# Altium PCB Mikrolysreklamen.PcbDoc
Units mm, origin at the board's own origin, x right, y up, seen from the top; angles counter-clockwise.
Board outline 84.38 x 23.58 mm, 2 copper layers (Top Layer, Bottom Layer), stack 1.671 mm thick; 73 components, 100 nets, 393 pads, 66 vias.
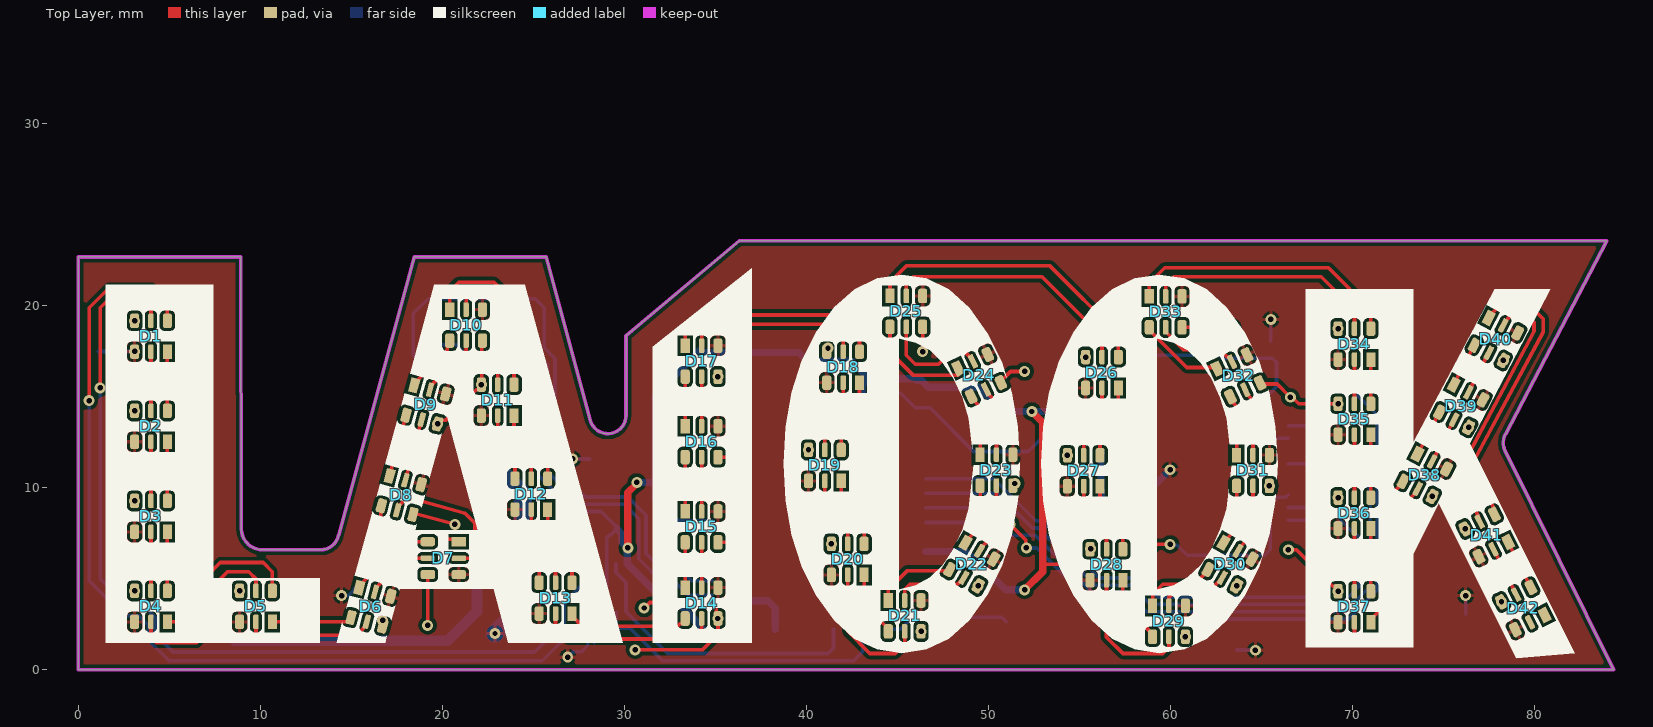
[diagram p0: Top Layer view]
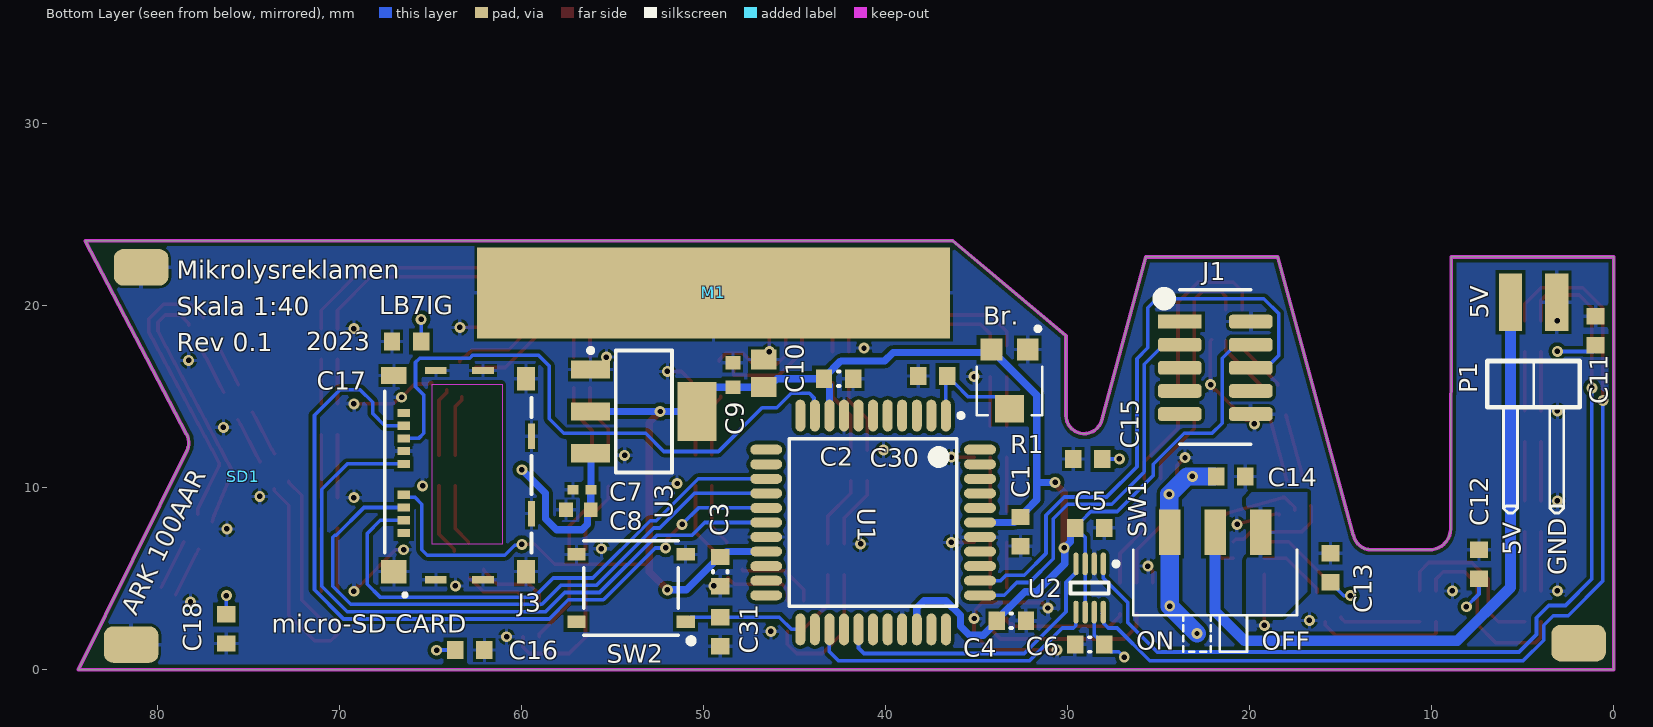
[diagram p1: Bottom Layer view, seen from below]
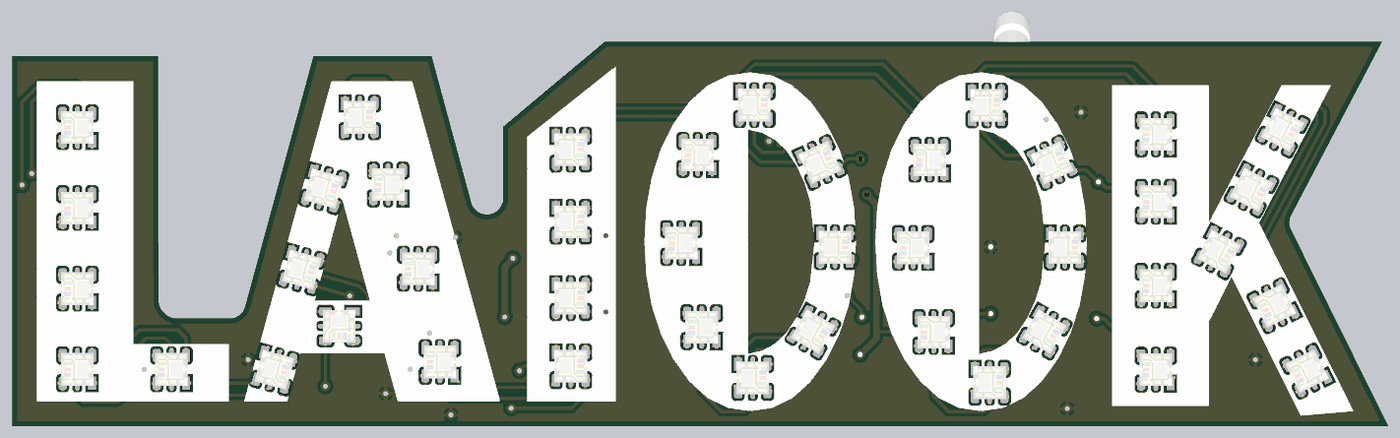
[diagram p2: 3D render of the assembled board from above, using the file's embedded part models]

## Layer stack, top to bottom
Top Solder: solder mask 0.0102, Solder Resist, Dk 3.5
Top Layer: signal copper 0.0356
Dielectric 1: dielectric 1.6, FR-4, Dk 4.8
Bottom Layer: signal copper 0.0356
Bottom Solder: solder mask 0.0102, Solder Resist, Dk 3.5

## Board outline
8.96,7.745 ccw(c10.129,7.768) 10.152,6.6 13.331,6.6 ccw(c13.32,7.6) 14.299,7.397 14.302,7.396 18.473,22.69 25.715,22.69 28.139,13.718 28.135,13.717 ccw(c29.1,13.98) 30.1,13.98 30.1,18.366 36.334,23.58 83.993,23.58 78.438,12.974 78.435,12.975 ccw(c79.31,12.49) 78.398,12.081 84.379,0 0,0 0,22.69 8.93,22.69

## Design rules (kind name [scope] priority, off if disabled: settings)
Clearance [All] p1: gap=0.2 ignorepadtopadclearanceinfootprint=FALSE except(0: Arc-Hole Track-Hole SMDPad-Hole THPad-Hole Via-Hole Fill-Hole Poly-Hole Region-Hole Text-Hole; 0.15: Arc-Arc Arc-Track Track-Track)
DiffPairsRouting [All] p1: maxlimit=0.254 minlimit=0.254 mostfreqgap=0.254 substack1={9E7FAFDF-2B63-4549-80CD-55CEDA884390} toplayer_{9e7fafdf-2b63-4549-80cd-55ceda884390}_minwidth=0.381 toplayer_{9e7fafdf-2b63-4549-80cd-55ceda884390}_maxwidth=0.381 toplayer_{9e7fafdf-2b63-4549-80cd-55ceda884390}_prefwidth=0.381 bottomlayer_{9e7fafdf-2b63-4549-80cd-55ceda884390}_minwidth=0.381 bottomlayer_{9e7fafdf-2b63-4549-80cd-55ceda884390}_maxwidth=0.381 bottomlayer_{9e7fafdf-2b63-4549-80cd-55ceda884390}_prefwidth=0.381 toplayer_minwidth=0.381 toplayer_maxwidth=0.381 toplayer_prefwidth=0.381 bottomlayer_minwidth=0.381 bottomlayer_maxwidth=0.381 bottomlayer_prefwidth=0.381 maxuncoupledlength=12.7
MinimumSolderMaskSliver [All] p1: minsoldermaskwidth=0.15
PolygonConnect [All] p1: connectstyle=Relief reliefconductorwidth=0.2 reliefentries=4 polygonreliefangle="90 Angle" airgapwidth=0.15
RoutingVias [All] p1: holewidth=0.3 width=0.6 viastyle="Through Hole" minholewidth=0.3 minwidth=0.6 maxholewidth=0.6 maxwidth=1.2
SilkToSolderMaskClearance [IsPad] p1: minsilkscreentomaskgap=0.1 clearancetoexposedcopper=TRUE
SolderMaskExpansion SolderMaskExpansion_via [IsVia] p1: expansion=0.102 istentingtop=TRUE
SolderMaskExpansion [All] p2: expansion=0.05 istentingtop=FALSE
Width [All] p1: maxlimit=4 minlimit=0.15 preferedwidth=0.2 substack1={9E7FAFDF-2B63-4549-80CD-55CEDA884390}
27 further rules are at their usual default settings.

## Classes and differential pairs
component class Mikrolysreklamen: C1 C2 C3 C4 C5 C6 C7 C8 C9 C10 C30 C31 J1 J3 M1 M2 M3 P1 R1 SD1 SW1 SW2 U1 U2 U3
component class LEDs: C11 C12 C13 C14 C15 C16 C17 C18 D1 D2 D3 D4 D5 D6 D7 D8 D9 D10 D11 D12 D13 D14 D15 D16 D17 D18 D19 D20 D21 D22 D23 D24 D25 D26 D27 D28 D29 D30 D31 D32 D33 D34 D35 D36 D37 D38 D39 D40 D41 D42

## Components (designator, comment, footprint, x,y, rotation, side; value= is the part's Value field where it differs from the comment)
C1 "100nF" CAPC0603(1608)55_N 32.6,7.6 r90 bottom
C2 "100nF" CAPC0603(1608)55_N 42.6,16 r0 bottom
C3 "100nF" CAPC0603(1608)55_N 49.1,5.4 r90 bottom
C4 "100nF" CAPC0603(1608)55_N 33.1,2.7 r0 bottom
C5 "100nF" CAPC0603(1608)55_N 28.8,7.8 r0 bottom
C6 "100nF" CAPC0603(1608)55_N 28.8,1.4 r180 bottom
C7 "100nF" CAPC1005X04L 56.7,9.9 r180 bottom
C8 "10µF" CAPC1608X06L 56.9,8.8 r180 bottom
C9 "10µF" CAPC1608X06L 48.4,16.2 r270 bottom
C10 "100µF" CAPC2012X11L 46.7,16.3 r270 bottom
C11 "100nF" CAPC0603(1608)55_N 1,18.63 r270 bottom
C12 "100nF" CAPC0603(1608)55_N 7.4,5.8 r270 bottom
C13 "100nF" CAPC0603(1608)55_N 15.57,5.61 r270 bottom
C14 "100nF" CAPC0603(1608)55_N 21.05,10.62 r0 bottom
C15 "100nF" CAPC0603(1608)55_N 28.9,11.59 r180 bottom
C16 "100nF" CAPC0603(1608)55_N 62.86,1.09 r0 bottom
C17 "100nF" CAPC0603(1608)55_N 66.34,18.05 r180 bottom
C18 "100nF" CAPC0603(1608)55_N 76.25,2.25 r90 bottom
C30 "100nF" CAPC0603(1608)55_N 37.42,16.15 r180 bottom
C31 "100nF" CAPC0603(1608)55_N 49.1,2.1 r90 bottom
D1 "APA102 2020" APA_RGB_LED_2020 3.994,18.333 r90 top
D2 "APA102 2020" APA_RGB_LED_2020 3.994,13.385 r90 top
D3 "APA102 2020" APA_RGB_LED_2020 3.994,8.437 r90 top
D4 "APA102 2020" APA_RGB_LED_2020 3.994,3.489 r90 top
D5 "APA102 2020" APA_RGB_LED_2020 9.764,3.489 r90 top
D6 "APA102 2020" APA_RGB_LED_2020 16.083,3.461 r254.67 top
D7 "APA102 2020" APA_RGB_LED_2020 20.058,6.141 r180 top
D8 "APA102 2020" APA_RGB_LED_2020 17.75,9.6 r254.67 top
D9 "APA102 2020" APA_RGB_LED_2020 19.103,14.576 r254.67 top
D10 "APA102 2020" APA_RGB_LED_2020 21.312,18.946 r270 top
D11 "APA102 2020" APA_RGB_LED_2020 23.048,14.826 r90 top
D12 "APA102 2020" APA_RGB_LED_2020 24.896,9.662 r90 top
D13 "APA102 2020" APA_RGB_LED_2020 26.229,3.944 r90 top
D14 "APA102 2020" APA_RGB_LED_2020 34.253,3.674 r270 top
D15 "APA102 2020" APA_RGB_LED_2020 34.253,7.856 r270 top
D16 "APA102 2020" APA_RGB_LED_2020 34.253,12.54 r270 top
D17 "APA102 2020" APA_RGB_LED_2020 34.253,16.963 r270 top
D18 "APA102 2020" APA_RGB_LED_2020 42.032,16.635 r90 top
D19 "APA102 2020" APA_RGB_LED_2020 41.028,11.237 r90 top
D20 "APA102 2020" APA_RGB_LED_2020 42.283,6.073 r90 top
D21 "APA102 2020" APA_RGB_LED_2020 45.413,2.963 r270 top
D22 "APA102 2020" APA_RGB_LED_2020 49.1,5.8 r240 top
D23 "APA102 2020" APA_RGB_LED_2020 50.457,10.975 r270 top
D24 "APA102 2020" APA_RGB_LED_2020 49.523,16.181 r295 top
D25 "APA102 2020" APA_RGB_LED_2020 45.504,19.698 r270 top
D26 "APA102 2020" APA_RGB_LED_2020 56.256,16.342 r90 top
D27 "APA102 2020" APA_RGB_LED_2020 55.251,10.942 r90 top
D28 "APA102 2020" APA_RGB_LED_2020 56.506,5.778 r90 top
D29 "APA102 2020" APA_RGB_LED_2020 59.937,2.67 r270 top
D30 "APA102 2020" APA_RGB_LED_2020 63.3,5.8 r240 top
D31 "APA102 2020" APA_RGB_LED_2020 64.553,10.957 r270 top
D32 "APA102 2020" APA_RGB_LED_2020 63.771,16.161 r295 top
D33 "APA102 2020" APA_RGB_LED_2020 59.754,19.675 r270 top
D34 "APA102 2020" APA_RGB_LED_2020 70.13,17.904 r90 top
D35 "APA102 2020" APA_RGB_LED_2020 70.13,13.772 r90 top
D36 "APA102 2020" APA_RGB_LED_2020 70.13,8.62 r90 top
D37 "APA102 2020" APA_RGB_LED_2020 70.13,3.469 r90 top
D38 "APA102 2020" APA_RGB_LED_2020 74,10.7 r242.41 top
D39 "APA102 2020" APA_RGB_LED_2020 76,14.5 r242.41 top
D40 "APA102 2020" APA_RGB_LED_2020 77.907,18.177 r242.41 top
D41 "APA102 2020" APA_RGB_LED_2020 77.393,7.386 r116.57 top
D42 "APA102 2020" APA_RGB_LED_2020 79.397,3.378 r116.57 top
J1 "Header SMD 127 2x5" SMDHDRV10P127_2X5_615X330X560B 21.9,16.6 r180 bottom
J3 "MEM2085-00-115-00-A_REV0.2" GCT_MEM2085-00-115-00-A_REV0.2 63.5,10.7 r270 bottom
M1 "" Imponatornaal_liten 49.48,20.72 r180 bottom
P1 "Pin List 1x2, Angled" LIST_ANG_1x2-SMD-2.54MM 4.4,20.2 r180 bottom
R1 "TC33X-2-103E" TRIM_TC33X-2-103E 33.2,15.8 r270 bottom
SD1 "Micro SD kort" microsdcard 75.3,10.6 r270 bottom
SW1 "Switch" JS102011SAQN 21.9,4.8 r180 bottom
SW2 "PTS526 spst-no Pushbutton" PTS526_SK15_SMTR2_LFS 54,4.5 r0 bottom
U1 "AVR ATXMEGA64A4U-AU" TQFP80P1200X1200X120-44N 40.7,8.1 r270 bottom
U2 "TXS0102DCUR" TSSOP50P310X90-8N 28.8,4.5 r270 bottom
U3 "TLV1117" SOT230P700X180-4N 53.3,14.2 r180 bottom

## Footprints (in the part's own frame and the unit in brackets; to place one, negate y for a bottom-side part, rotate by r counter-clockwise, add the part's x,y. Pads: shape width x height; smd on the part's side, far side on the other; paste and mask are expansions set on the pad)
APA_RGB_LED_2020 [mm]
  rrect50% 0.8x0.5 smd: 1(-0.85,0.9) 4(0.85,-0.9) 6(0.85,0.9)
  rrect50% 0.8x0.3 smd: 2(-0.85,0) 5(0.85,0)
  rect 0.8x0.5 smd: 3(-0.85,-0.9)
  silkscreen extent -1.41,-1.31 1.41,1.31, body extent -1,-1 1,1, height 0.9
CAPC0603(1608)55_N [mm] "Chip Capacitor, Body 1.6x0.8mm, Height 0.55mm, IPC Medium Density"
  rect 0.9x1 smd: 1(-0.8,0) 2(0.8,0)
  body extent -0.87,-0.48 0.88,0.47, height 0.55
CAPC1005X04L [mm] "Chip Capacitor, 2-Leads, Body 1.0x0.5mm, IPC High Density"
  rect 0.6x0.5 smd: 1(-0.5,0) 2(0.5,0)
  body extent -0.51,-0.25 0.51,0.25, height 0.5
CAPC1608X06L [mm] "Chip Capacitor, 2-Leads, Body 1.6x0.8mm, IPC High Density"
  rect 0.75x0.8 smd: 1(-0.675,0) 2(0.675,0)
  body extent -0.8,-0.43 0.8,0.43, height 0.8
CAPC2012X11L [mm] "Chip Capacitor, 2-Leads, Body 2.0x1.3mm, IPC High Density"
  rect 1.1x1.4 smd: 1(-0.75,0) 2(0.75,0)
  body extent -1,-0.62 1,0.63, height 0.77
GCT_MEM2085-00-115-00-A_REV0.2 [mm]
  rect 0.45x0.7 smd: CD(-2.02,-2.99) P1(3.18,-2.99) P2(2.48,-2.99) P3(1.78,-2.99) P4(1.08,-2.99) P5(-0.62,-2.99) P6(-1.32,-2.99) P7(-2.72,-2.99) P8(-3.42,-2.99)
  rect 0.95x1.4 smd: G1(-5.475,-3.53)
  rect 1.3x1.4 smd: G2(5.3,-3.53)
  rect 0.4x1.2 smd: G3(5.75,-1.23) G4(5.75,1.37) G9(-5.75,1.37) G10(-5.75,-1.23)
  rect 1.3x1 smd: G5(5.3,3.73) G8(-5.3,3.73)
  rect 1.4x0.4 smd: G6(2.11,4.03) G7(-2.14,4.03)
  Top Layer keep-out region: 3.8,-1.44 -5,-1.44 -5,2.41 3.8,2.41
  silkscreen extent -4.6,-4.03 6.68,4.03, body extent -5.82,-4.06 5.82,4.1, height 1.14
Imponatornaal_liten [mm]
  rect 26x5 smd paste-10: 0(0,0)
  body extent -13.65,-2.5 13.05,4.7, height 6.8
JS102011SAQN [mm] "Slide Switches - SPDT, SMD, ON-ON"
  rect 1.2x2.5 smd: 1(-2.5,2.75) 2(0,2.75) 3(2.5,2.75)
  silkscreen extent -4.5,-3.8 4.5,1.8, body extent -4.52,-3.8 4.52,3.75, height 3.5
LIST_ANG_1x2-SMD-2.54MM [mm] "Pin List, 2.54mm, Surface Mount, Angled"
  rect 1.27x3.18 smd paste-5: 1(-1.27,0) 2(1.27,0)
  silkscreen extent -2.54,-11.58 2.54,-3.23, body extent -2.56,-11.61 2.52,1.35, height 3.03
microsdcard [mm]
  body extent -5.51,0 5.51,15, height 1.2
PTS526_SK15_SMTR2_LFS [mm]
  rect 1x0.7 smd: 1(-3,1.85) 2(3,1.85) 3(-3,-1.85) 4(3,-1.85)
  silkscreen extent -3.45,-2.6 2.6,3.05, body extent -3.2,-2.6 3.2,2.6, height 1.5
SMDHDRV10P127_2X5_615X330X560B [mm] "SMD 2X5 Vertical Header"
  rect 2.4x0.76 smd paste-5: 1(-1.95,2.54)
  rrect50% 2.4x0.76 smd paste-5: 2(1.95,2.54) 3(-1.95,1.27) 4(1.95,1.27) 5(-1.95,0) 6(1.95,0) 7(-1.95,-1.27) 8(1.95,-1.27) 9(-1.95,-2.54) 10(1.95,-2.54)
  silkscreen extent -2.94,-4.21 1.95,4.29
SOT230P700X180-4N [mm] "SOT223, 4-Leads, Body 6,50x7,00mm (avg), Pitch 2,30mm, IPC Medium Density"
  rect 2.15x1 smd: 1(-2.925,2.3) 2(-2.925,0) 3(-2.925,-2.3)
  rect 2.15x3.25 smd: 4(2.925,0)
  silkscreen extent -3.05,-3.35 1.55,3.47, body extent -3.54,-3.25 3.54,3.25, height 1.65
TQFP80P1200X1200X120-44N [mm] "TQFP, 44-Leads, Body 10,00x10,00mm, Pitch 0,80mm, IPC Medium Density"
  oval 1.75x0.55 smd: 1(-5.875,4) 2(-5.875,3.2) 3(-5.875,2.4) 4(-5.875,1.6) 5(-5.875,0.8) 6(-5.875,0) 7(-5.875,-0.8) 8(-5.875,-1.6) 9(-5.875,-2.4) 10(-5.875,-3.2) 11(-5.875,-4) 23(5.875,-4) 24(5.875,-3.2) 25(5.875,-2.4) 26(5.875,-1.6) 27(5.875,-0.8) 28(5.875,0) 29(5.875,0.8) 30(5.875,1.6) 31(5.875,2.4) 32(5.875,3.2) 33(5.875,4)
  oval 0.55x1.75 smd: 12(-4,-5.875) 13(-3.2,-5.875) 14(-2.4,-5.875) 15(-1.6,-5.875) 16(-0.8,-5.875) 17(0,-5.875) 18(0.8,-5.875) 19(1.6,-5.875) 20(2.4,-5.875) 21(3.2,-5.875) 22(4,-5.875) 34(4,5.875) 35(3.2,5.875) 36(2.4,5.875) 37(1.6,5.875) 38(0.8,5.875) 39(0,5.875) 40(-0.8,5.875) 41(-1.6,5.875) 42(-2.4,5.875) 43(-3.2,5.875) 44(-4,5.875)
  silkscreen extent -6,-4.6 4.6,4.95, body extent -6.03,-5.97 5.97,6.03, height 1.1
TRIM_TC33X-2-103E [mm]
  rect 1.2x1.2 smd: 1(-1.8,1) 3(-1.8,-1)
  rect 1.5x1.6 smd: 2(1.45,0)
  silkscreen extent -3.07,-1.8 1.8,1.8, body extent -1.91,-1.8 2.05,1.8, height 1.13
TSSOP50P310X90-8N [mm] "TSSOP, 8-Leads, Body 2,1x2,4mm (max), Pitch 0,50mm, IPC Medium Density"
  oval 1.25x0.3 smd: 1(-1.325,0.75) 2(-1.325,0.25) 3(-1.325,-0.25) 4(-1.325,-0.75) 5(1.325,-0.75) 6(1.325,-0.25) 7(1.325,0.25) 8(1.325,0.75)
  silkscreen extent -1.45,-1.05 0.3,1.57, body extent -1.55,-1.05 1.55,1.05, height 0.8

## Part data
C1 C2 C3 C4 C5 C6 C11 C12 C13 C14 C15 C16 C17 C18 C30 C31: library part 5152, antall=985, beskrivelse="X7R 50V 5%", dybde=0, elektrisk_verdi=100nF, hylle=0, id=5152, komponenttype=2, lager_type=Baklager, leverandor=Farnell, leverandor_varenr=1759122, navn=100nF, nokkelord="Kondensator, Capacitor, CAP", pakke_opprettet="18/02/2015 14:18:13", pakke_opprettet_av=815, pakketype=0603, pris=1, produsent=Multicomp, rad=21, rom=OV, symbol_opprettet="14/11/2014 20:19:34", symbol_opprettet_av=815
C7: library part C0402-100n, "Capacitor, X7R, ±10%", Artikkelnr Noca=20039200, Artikkelnr Simpro=N.A., Footprint Doc=0402, LatestRevisionDate=2009-11-23, Note=16V, Part Number=C0402-100n, Pin Count=2, Published=2009-05-08, Publisher="Nordic Semiconductor"
C8 C9: library part C0603-10µ, "Capacitor, X5R, ±20%", Artikkelnr Noca=20039234, Artikkelnr Simpro=N.A., Footprint Doc=0603, LatestRevisionDate=2011-01-17, Note=6.3V, Part Number=C0603-10µ, Pin Count=2, Published=2011-01-17, Publisher="Nordic Semiconductor"
C10: library part C0805-TBD, "Chip Cap 0805", Artikkelnr Noca=N.A., Artikkelnr Simpro=N.A., Footprint Doc=0805, LatestRevisionDate=2013-12-17, Note="Chip Cap", Part Number=C0805-TBD, Pin Count=2, Published=2013-12-17, Publisher="Nordic Semiconductor"
D1 D2 D3 D4 D5 D6 D7 D8 D9 D10 D11 D12 D13 D14 D15 D16 D17 D18 D19 D20 D21 D22 D23 D24 D25 D26 D27 D28 D29 D30 D31 D32 D33 D34 D35 D36 D37 D38 D39 D40 D41 D42: library part 5672, AdaFruit=3341, beskrivelse="2x2mm SMD RGB Addresserbar LED", DigiKey=1528-2392-ND, id=5672, komponenttype=9, leverandor=DigiKey, leverandor_varenr=1528-2392-ND, navn="APA102 2020", nokkelord="Adafruit: 3341", pakke_opprettet="08/02/2020 14:20:14", pakke_opprettet_av=815, pakketype=SMD, pris=0, produsent=Kina, symbol_opprettet="08/02/2020 14:20:38", symbol_opprettet_av=815
J1: library part 2449, "1,27mm Pitch SMD Header", id=2449, navn="Header SMD 127 2x5", nokkelord=JTAG, pakke_opprettet="15.11.2014 18:30:38", pakke_opprettet_av=815, pakketype=101, pris=20, symbol_opprettet="15.11.2014 18:33:29", symbol_opprettet_av=815
J3: library part 6893, "MicroSD Push pull Memory Card Connector", Package=None, Availability="Not in stock", beskrivelse="MICRO SD PUSH-PULL SMT 1.15MM", Check_prices=https://www.snapeda.com/parts/MEM2085-00-115-00-A/Global+Connector+Technology/view-part/?ref=eda, id=6893, komponenttype=11, leverandor=DigiKey, leverandor_varenr=2073-MEM2085-00-115-00-ACT-ND, MF="Global Connector Technology", MP=MEM2085-00-115-00-A, navn="MEM2085 microSDcardHolder", nokkelord="sdcard, microsd", pakke_opprettet="16/04/2023 02:33:45", pakke_opprettet_av=815, pakketype=SMD, Price=None, pris=12, produsent=GCT, produsent_varenr=MEM2085-00-115-00-A, SnapEDA_Link=https://www.snapeda.com/parts/MEM2085-00-115-00-A/Global+Connector+Technology/view-part/?ref=snap, symbol_opprettet="16/04/2023 02:35:20", symbol_opprettet_av=815
M1: library part Imponatornaal
P1: library part "Pin List Ang 1x2 SMD, 2.54mm", "Pin List 1x2, 2.54mm (100mil), Right Angled, SMD", Manufacturer=W-CON, Manufacturer Part Number=1125B-1102S0Z135R2, Part number IPS=N.A., Artikkelnr Noca=55010023, ComponentLink1Description=Datasheet, ComponentLink2Description="Supplier link", Footprint Doc=LIST_ANG_1x2-SMD-2.54MM, HelpURL=\\hizz\pro\app9717\Datasheet\connectores\W-CON\1125B-11XXXXZXXXXX.pdf, LatestRevisionDate=2016-05-26, Part Number="Pin List Ang 1x2 SMD, 2.54mm", Pin Count=2, Published=2016-01-22, Publisher="Nordic Semiconductor", Supplier 1=Cabcon, Supplier 2=Samtec, Supplier Part Number 1=1125B-1102S0Z135R2, Supplier Part Number 2=TSM-102-01-L-SH-A
R1: library part 6892, beskrivelse="SMD Trimpot", elektrisk_verdi=10k, id=6892, komponenttype=1, leverandor=DigiKey, leverandor_varenr=TC33X-103ECT-ND, navn=TC33X-2-103E, nokkelord="potentiometer, potmeter, trim, resistor", pakke_opprettet="16/04/2023 02:23:24", pakke_opprettet_av=815, pakketype=SMD, pris=4, produsent=Bourns, produsent_varenr=TC33X-2-103E, symbol_opprettet="03/11/2016 15:34:07", symbol_opprettet_av=815
SD1: library part 3019, antall=-1, dybde=1, hylle=3, id=3019, lager_type=Baklager, navn="Micro SD kort", nokkelord="SD, minnekort", pakke_opprettet="16/04/2023 02:41:18", pakke_opprettet_av=815, pris=70, rad=3, rom=OV, symbol_opprettet="16/04/2023 02:41:09", symbol_opprettet_av=815
SW1: library part JS102011SAQN, "SMD slide Switch (ON-ON)", Manufacturer="C&K Components", Part number IPS=N.A., Supplier Part Number 1=401-1999-1-ND, Artikkelnr Noca=50019064, ComponentLink1Description=Datasheet, ComponentLink2Description="Supplier link", Footprint Doc=JS102011SAQN, HelpURL=http://www.ck-components.com/14398/js_14july11.pdf/, LatestRevisionDate=2011-08-15, Manufacturer Part Number=JS102011SAQN, Part Number=JS102011SAQN, Pin Count=3, Published=2011-08-15, Publisher="Nordic Semiconductor", Supplier 1=Digi-Key, Supplier 2=Mouser, Supplier Part Number 2=611-JS102011SAQN
SW2: library part 6894, beskrivelse="Tactile SMD pushbutton 5.2x5.2mm 1.5mmh, 260gf, spst-no", id=6894, komponenttype=12, leverandor=DigiKey, leverandor_varenr=CKN12221-1-ND, navn="PTS526 spst-no Pushbutton", nokkelord="knapp, button, tactile, spst-no", pakke_opprettet="16/04/2023 03:26:55", pakke_opprettet_av=815, pakketype=SMD, pris=2, produsent=C&K, produsent_varenr="PTS526 SK15 SMTR2 LFS", symbol_opprettet="14/11/2014 21:57:30", symbol_opprettet_av=815
U1: library part 2103, "Mikrokontroller", antall=75, dybde=0, hylle=0, id=2103, kolonne=2, lager_type=Fremlager, navn="AVR ATXMEGA64A4U-AU", pakke_opprettet="22.08.2014 14:00:28", pakke_opprettet_av=774, pakketype=45, pris=0, produsent=Atmel, rad=4, rom=OV, symbol_opprettet="22.08.2014 14:00:55", symbol_opprettet_av=774
U2: "IC VOLT-LEVEL TRANSLATOR 8-US8", Manufacturer="Texas Instruments", Part number IPS=N.A., Supplier Part Number 1=296-21931-1-ND, Artikkelnr Noca=N.A., ComponentLink1Description=Datasheet, ComponentLink2Description="Supplier link", Footprint Doc=8-VFSOP, HelpURL=http://www.ti.com/lit/ds/symlink/txs0102.pdf, LatestRevisionDate=2012-09-06, Manufacturer Part Number=TXS0102DCUR, Note="TEXAS INSTRUMENTS - TXS0102DCUR - IC, TRANSLATOR", Part Number=TXS0102DCUR, Pin Count=8, Published=2012-09-06, Publisher="Nordic Semiconductor", Supplier 1=Digi-Key, Supplier 2=Farnell, Supplier Part Number 2=170-3315
U3: library part TLV1117-33CDCYR, "REG LDO 3.3V 0.8A SOT223", Manufacturer="Texas Instruments", Part number IPS=N.A., Supplier Part Number 1=296-21112-1-ND, Artikkelnr Noca=N.A., ComponentLink1Description=Datasheet, ComponentLink1URL=http://www.ti.com/lit/ds/symlink/tlv1117.pdf, ComponentLink2Description="Supplier link", Footprint Doc=SOT-223, LatestRevisionDate=2018-08-10, Manufacturer Part Number=TLV1117-33CDCYR, Part Number=TLV1117-33CDCYR, Pin Count=4, Published=2018-08-10, Publisher="Nordic Semiconductor", Supplier 1=Digi-Key

## Free pads (board coordinates)
  rrect50% 3x2 smd far side paste-5: 0(1.93,1.47) 0(80.92,22.12) 0(81.47,1.39)

## Via types
v1: diameter 0.6, hole 0.3, Top Layer to Bottom Layer, tented both sides, 66 vias

## Nets (pads, with @x,y where several pads share a name; then routed paths per layer and width w, separated by ;. In a path a pad name is that pad's centre, name@x,y a point inside that pad or via, vN(x,y) a via of type N, cw(c..) or ccw(c..) an arc to the next point about the centre after c; other vN are vias at no path point)
BRIGTHNESS: C30.2 R1.2 U1.1 | length 6.4
  Bottom Layer w0.2: R1.2 33.85,15 35.47,15 36.22,15.75 36.27,15.75 36.62,16.1 C30.2 36.7,16.07 U1.1
CARD_DETECT: J3.CD U1.10 | length 33.7
  Bottom Layer w0.2: U1.10 43.944,14.019 43.944,14.944 44.2,15.2 45.2,15.2 46,14.4 46.8,14.4 49.2,12 52.2,12 53.2,13 57.7,13 58.5,13.8 58.5,16.7 59.1,17.3 62.7,17.3 62.87,17.13 65.62,17.13 65.85,16.9 65.85,15.56 65.4,15.11 65.4,13 65.68,12.72 J3.CD
CKI: D1.5 U2.1 | length 51.4
  Top Layer w0.2: v1(1.2,15.5) 1.2,19.9 1.9,20.6 3.7,20.6 3.994,20.306 D1.5
  Bottom Layer w0.2: v1(1.2,15.5) 1.2,4.99 2.65,3.54 3.57,3.54 4.242,2.868 4.242,1.948 5.207,0.983 25.083,0.983 26.7,2.6 26.7,3.7 28.05,5.05 U2.1
DUMMY_NET: SW1.3
GND: C1.1 C2.1 C3.1 C4.1 C5.1 C6.1 C7.1 C8.1 C9.1 C10.1 C11.1 C12.1 C13.1 C14.1 C15.1 C16.1 C17.1 C18.1 C30.1 C31.1 D1.6 D2.6 D3.6 D4.6 D5.6 D6.6 D7.6 D8.6 D9.6 D10.6 D11.6 D12.6 D13.6 D14.6 D15.6 D16.6 D17.6 D18.6 D19.6 D20.6 D21.6 D22.6 D23.6 D24.6 D25.6 D26.6 D27.6 D28.6 D29.6 D30.6 D31.6 D32.6 D33.6 D34.6 D35.6 D36.6 D37.6 D38.6 D39.6 D40.6 D41.6 D42.6 J1.2 J1.10 J3.G1 J3.G2 J3.G3 J3.G4 J3.G5 J3.G6 J3.G7 J3.G8 J3.G9 J3.G10 J3.P6 M1.0 P1.2 pad.0@80.92,22.12 pad.0@81.47,1.39 R1.1 SW2.3 SW2.4 U1.8 U1.18 U1.30 U1.38 U2.2 U3.1 | length 40.8
  Top Layer w0.2: D8.6 18.537,8.593 v1(20.7,8) ; v1(19.2,2.45) 19.204,2.454 19.204,5.237 D7.6 ; v1(19.746,13.518) 19.937,13.71 20.182,13.71 21.863,15.391 22,15.391 22.148,15.54 v1(22.148,15.676) 22.18,15.708 22.18,18.064 D10.6@22.107,18.137 ; v1(23.56,11.67) 23.996,11.234 D12.6 ; D13.6 25.329,5.429 v1(25.6,5.7) ; v1@30.617,1.1 34.3,1.1 35.153,1.953 v1(35.153,2.824) 35.064,2.913 35.064,3.336 34.7,3.7 31.417,3.7 31.117,3.4 v1(31.1,3.4) ; D15.6 v1(36.4,7.006) ; D16.6 v1(36.4,11.69) ; v1(46.404,17.485) D25.6 ; D24.6 50.698,15.864 51.234,16.4 v1(52,16.4) ; D33.6 v1(63.412,18.825) ; D32.6@64.946,15.698 D32.6 65.119,15.771 65.183,15.708 65.882,15.708 v1(66.61,14.98) 66.718,14.98 67.076,14.622 v1(69.23,14.622) ; v1(66.5,6.6) 66.949,6.6 68.945,4.604 69.082,4.604 69.23,4.455 v1(69.23,4.319)
  other v1: 30.6,1.1 60.837,1.82 46.313,2.113 16.726,2.72 78.212,3.736 3.094,4.339 8.864,4.339 49.454,4.614 63.654,4.614 55.635,6.657 41.383,6.923 76.208,7.744 3.094,9.287 69.23,9.47 74.404,9.53 65.453,10.107 51.475,10.243 54.351,11.792 40.128,12.087 76.404,13.33 3.094,14.235 35.153,16.113 78.311,17.007 55.356,17.192 41.2,17.68 69.23,18.754 3.094,19.183
MISO: J3.P7 U1.16 | length 44.5
  Top Layer w0.2: v1(51.2,8) 52.076,7.124 52.076,6.724 v1(52.1,6.7)
  Bottom Layer w0.2: U1.16 50.3,8.9 v1(51.2,8) ; v1(52.1,6.7) 52.67,6.7 55.52,3.85 57.45,3.85 58.5,2.8 69.8,2.8 71.4,4.4 71.4,14 70,15.4 68.9,15.4 68.2,14.7 68.2,14.086 67.534,13.42 J3.P7
MOSI: J3.P3 U1.15 | length 34
  Bottom Layer w0.2: U1.15 50.52,9.7 52.42,7.8 52.75,7.8 55.9,4.65 57.85,4.65 58.9,3.6 69.4,3.6 70.4,4.6 70.4,7.283 70.283,7.4 70.2,7.4 68.68,8.92 J3.P3
NetD1_2: D1.2 D2.5 | length 3.2
  Top Layer w0.2: D2.5 D1.2
NetD1_3: D1.3 D2.4 | length 3.2
  Top Layer w0.2: D2.4 D1.3
NetD2_2: D2.2 D3.5 | length 3.2
  Top Layer w0.2: D3.5 D2.2
NetD2_3: D2.3 D3.4 | length 3.2
  Top Layer w0.2: D3.4 D2.3
NetD3_2: D3.2 D4.5 | length 3.2
  Top Layer w0.2: D4.5 D3.2
NetD3_3: D3.3 D4.4 | length 3.2
  Top Layer w0.2: D4.4 D3.3
NetD4_2: D4.2 D5.5 | length 10.5
  Top Layer w0.2: D4.2 3.994,1.806 4.3,1.5 6.5,1.5 7.5,2.5 7.5,4.7 8.2,5.4 9.364,5.4 9.764,5 D5.5
NetD4_3: D4.3 D5.4 | length 9.4
  Top Layer w0.2: D4.3 6.339,2.639 6.9,3.2 6.9,5 7.8,5.9 10.164,5.9 10.664,5.4 D5.4
NetD5_2: D5.2 D6.5 | length 7.2
  Top Layer w0.2: D5.2 9.764,2.017 9.881,1.9 15.292,1.9 15.858,2.466 D6.5
NetD5_3: D5.3 D6.4 | length 4.4
  Top Layer w0.2: D5.3 14.774,2.639 14.99,2.855 D6.4
NetD6_2: D6.2 D7.5 | length 3.8
  Top Layer w0.2: D6.2 16.308,4.456 17.993,6.141 D7.5
NetD6_3: D6.3 D7.4 | length 4.9
  Top Layer w0.2: D6.3 15.44,4.624 17.857,7.041 D7.4
NetD7_2: D7.2 D8.5 | length 7.6
  Top Layer w0.2: D8.5 17.525,8.93 17.895,9.3 18.017,9.419 cw(c18.157,9.276) 18.212,9.468 18.801,9.3 21.255,8.6 21.291,8.563 21.741,8.113 21.8,8.054 21.8,6.4 21.741,6.341 21.541,6.141 D7.2
NetD7_3: D7.3 D8.4 | length 5.7
  Top Layer w0.2: D8.4 16.618,8.979 16.618,8.109 17.126,7.6 19.916,7.6 20.341,7.176 20.773,7.176 D7.3
NetD8_2: D8.2 D9.5 | length 3.5
  Top Layer w0.2: D8.2 18.045,10.712 18.8,13.467 D9.5
NetD8_3: D8.3 D9.4 | length 3.5
  Top Layer w0.2: D8.3 17.17,10.926 17.938,13.729 D9.4
NetD9_2: D9.2 D10.5 | length 3.5
  Top Layer w0.2: D9.2 19.328,15.571 21.312,17.555 D10.5
NetD9_3: D9.3 D10.4 | length 3.3
  Top Layer w0.2: D9.3 18.46,15.739 20.277,17.556 20.277,17.961 D10.4
NetD10_2: D10.2 D11.5 | length 7.4
  Top Layer w0.2: D10.2 21.312,20.512 21.6,20.8 22.6,20.8 23.048,20.352 D11.5
NetD10_3: D10.3 D11.4 | length 9.7
  Top Layer w0.2: D10.3 20.412,20.8 20.912,21.3 22.848,21.3 23.948,20.2 D11.4
NetD11_2: D11.2 D12.5 | length 4.2
  Top Layer w0.2: D11.2 23.048,13.252 24.896,11.404 D12.5
NetD11_3: D11.3 D12.4 | length 4.2
  Top Layer w0.2: D11.3 23.948,13.281 25.796,11.433 D12.4
NetD12_2: D12.2 D13.5 | length 4.6
  Top Layer w0.2: D12.2 24.896,7.906 26.229,6.573 D13.5
NetD12_3: D12.3 D13.4 | length 4.6
  Top Layer w0.2: D12.3 25.796,7.733 27.129,6.4 D13.4
NetD13_2: D13.2 D14.5 | length 9.8
  Top Layer w0.2: D13.2 26.229,2.371 26.9,1.7 33.7,1.7 34.253,2.253 D14.5
NetD13_3: D13.3 D14.4 | length 6.8
  Top Layer w0.2: D13.3 27.129,2.972 27.711,2.39 32.919,2.39 33.068,2.539 33.205,2.539 33.353,2.688 D14.4
NetD14_2: D14.2 D15.5 | length 2.5
  Top Layer w0.2: D14.2 D15.5
NetD14_3: D14.3 D15.4 | length 2.5
  Top Layer w0.2: D14.3 D15.4
NetD15_2: D15.2 D16.5 | length 3
  Top Layer w0.2: D15.2 D16.5
NetD15_3: D15.3 D16.4 | length 3
  Top Layer w0.2: D15.3 D16.4
NetD16_2: D16.2 D17.5 | length 2.7
  Top Layer w0.2: D16.2 D17.5
NetD16_3: D16.3 D17.4 | length 2.7
  Top Layer w0.2: D16.3 D17.4
NetD17_2: D17.2 D18.5 | length 9.9
  Top Layer w0.2: D17.2 34.253,18.453 34.8,19 41.632,19 42.032,18.6 D18.5
NetD17_3: D17.3 D18.4 | length 12.5
  Top Layer w0.2: D17.3 33.353,18.6 34.253,19.5 42.432,19.5 42.932,19 D18.4
NetD18_2: D18.2 D19.5 | length 4.1
  Top Layer w0.2: D19.5 41.028,13.796 42.032,14.8 D18.2
NetD18_3: D18.3 D19.4 | length 4.1
  Top Layer w0.2: D19.4 41.928,13.996 42.932,15 D18.3
NetD19_2: D19.2 D20.5 | length 4
  Top Layer w0.2: D19.2 41.028,9.606 42.283,8.351 D20.5
NetD19_3: D19.3 D20.4 | length 4
  Top Layer w0.2: D19.3 41.928,9.71 43.183,8.455 D20.4
NetD20_2: D20.2 D21.5 | length 7.7
  Top Layer w0.2: D20.2 42.283,2.117 43.5,0.9 44.9,0.9 45.413,1.413 D21.5
NetD20_3: D20.3 D21.4 | length 3.7
  Top Layer w0.2: D20.3 43.183,3.593 44.513,2.263 D21.4
NetD21_2: D21.2 D22.5 | length 4.1
  Top Layer w0.2: D21.2 45.413,4.413 45.7,4.7 48.311,4.7 48.441,4.83 48.473,4.83 48.675,5.033 D22.5
NetD21_3: D21.3 D22.4 | length 4.4
  Top Layer w0.2: D21.3 44.513,4.413 45.539,5.439 47.821,5.439 D22.4
NetD22_2: D22.2 D23.5 | length 4
  Top Layer w0.2: D22.2 49.525,6.628 50.457,7.56 D23.5
NetD22_3: D22.3 D23.4 | length 3.5
  Top Layer w0.2: D22.3 48.746,7.041 49.557,7.852 D23.4
NetD23_2: D23.2 D24.5 | length 3.8
  Top Layer w0.2: D24.5 49.882,15.29 50.457,14.715 D23.2
NetD23_3: D23.3 D24.4 | length 3.4
  Top Layer w0.2: D24.4 49.067,14.958 49.557,14.467 D23.3
NetD24_2: D24.2 D25.5 | length 5.9
  Top Layer w0.2: D25.5 45.504,17.296 46,16.8 47.268,16.8 47.878,17.41 48.788,17.41 49.164,17.034 D24.2
NetD24_3: D24.3 D25.4 | length 6
  Top Layer w0.2: D25.4 44.604,17.471 45.875,16.2 48.348,16.2 D24.3
NetD25_2: D25.2 D26.5 | length 14
  Top Layer w0.2: D25.2 45.504,21.204 45.9,21.6 52.956,21.6 56.256,18.3 D26.5
NetD25_3: D25.3 D26.4 | length 16.5
  Top Layer w0.2: D25.3 44.604,21.3 45.504,22.2 53.4,22.2 57.156,18.444 D26.4
NetD26_2: D26.2 D27.5 | length 4.1
  Top Layer w0.2: D27.5 55.251,13.256 56.256,14.261 D26.2
NetD26_3: D26.3 D27.4 | length 4.1
  Top Layer w0.2: D27.4 56.151,13.151 57.156,14.156 D26.3
NetD27_2: D27.2 D28.5 | length 4
  Top Layer w0.2: D27.2 55.251,9.4 56.506,8.145 D28.5
NetD27_3: D27.3 D28.4 | length 4
  Top Layer w0.2: D27.3 56.151,9.155 57.406,7.9 D28.4
NetD28_2: D28.2 D29.5 | length 7.7
  Top Layer w0.2: D28.2 56.506,1.8 57.406,0.9 59.6,0.9 59.937,1.237 D29.5
NetD28_3: D28.3 D29.4 | length 3.8
  Top Layer w0.2: D28.3 57.406,3.601 59.037,1.97 D29.4
NetD29_2: D29.2 D30.5 | length 3.9
  Top Layer w0.2: D29.2 59.937,4 60.237,4.3 62.111,4.3 62.641,4.83 62.673,4.83 62.875,5.033 D30.5
NetD29_3: D29.3 D30.4 | length 4.3
  Top Layer w0.2: D29.3 59.037,4.137 59.6,4.7 61.337,4.7 62.096,5.459 D30.4
NetD30_2: D30.2 D31.5 | length 3.9
  Top Layer w0.2: D30.2 63.725,6.628 64.553,7.456 D31.5
NetD30_3: D30.3 D31.4 | length 3.4
  Top Layer w0.2: D30.3 62.946,7.041 63.653,7.748 D31.4
NetD31_2: D31.2 D32.5 | length 3.8
  Top Layer w0.2: D32.5 64.13,15.238 64.553,14.815 D31.2
NetD31_3: D31.3 D32.4 | length 3.3
  Top Layer w0.2: D32.4 63.315,14.819 63.653,14.48 D31.3
NetD32_2: D32.2 D33.5 | length 4.6
  Top Layer w0.2: D33.5 59.754,18.575 60.729,17.6 62.743,17.6 63.159,17.184 63.231,17.184 63.412,17.004 D32.2
NetD32_3: D32.3 D33.4 | length 4.8
  Top Layer w0.2: D33.4 58.854,18.675 60.915,16.614 62.533,16.614 D32.3
NetD33_2: D33.2 D34.5 | length 13
  Top Layer w0.2: D33.2 59.754,21.154 60.2,21.6 68.3,21.6 70.13,19.77 D34.5
NetD33_3: D33.3 D34.4 | length 15.2
  Top Layer w0.2: D33.3 58.854,21.254 59.7,22.1 68.7,22.1 71.03,19.77 D34.4
NetD34_2: D34.2 D35.5 | length 2.4
  Top Layer w0.2: D35.5 D34.2
NetD34_3: D34.3 D35.4 | length 2.4
  Top Layer w0.2: D35.4 D34.3
NetD35_2: D35.2 D36.5 | length 3.5
  Top Layer w0.2: D36.5 D35.2
NetD35_3: D35.3 D36.4 | length 3.5
  Top Layer w0.2: D36.4 D35.3
NetD36_2: D36.2 D37.5 | length 3.5
  Top Layer w0.2: D37.5 D36.2
NetD36_3: D36.3 D37.4 | length 3.5
  Top Layer w0.2: D37.4 D36.3
NetD37_2: D37.2 D38.5 | length 11.3
  Top Layer w0.2: D37.2 70.13,1.97 70.5,1.6 71.4,1.6 72.809,3.009 72.809,9.043 73.606,9.841 D38.5
NetD37_3: D37.3 D38.4 | length 8.5
  Top Layer w0.2: D37.3 71.03,2.769 72.1,3.839 72.1,9.591 72.809,10.3 D38.4
NetD38_2: D38.2 D39.5 | length 2.6
  Top Layer w0.2: D38.2 74.543,11.714 75.466,13.481 D39.5
NetD38_3: D38.3 D39.4 | length 2.6
  Top Layer w0.2: D38.3 73.733,12.109 74.68,13.92 D39.4
NetD39_2: D39.2 D40.5 | length 2.4
  Top Layer w0.2: D39.2 76.523,15.524 77.376,17.157 D40.5
NetD39_3: D39.3 D40.4 | length 2.4
  Top Layer w0.2: D39.3 75.713,15.919 76.59,17.596 D40.4
NetD40_2: D40.2 D41.5 | length 14.3
  Top Layer w0.2: D41.5 76.923,8.437 75.936,10.812 cw(c76.12,10.888) 75.944,10.983 80,18.6 80,19.1 79.941,19.159 79.6,19.5 78.765,19.5 78.301,19.036 D40.2
NetD40_3: D40.3 D41.4 | length 15.7
  Top Layer w0.2: 76.633,11.228 ccw(c76.822,11.292) 76.643,11.203 77.806,8.851 D41.4 ; 76.632,11.229 cw(c76.822,11.292) 76.646,11.386 80.5,18.573 80.5,19.3 80.441,19.359 79.7,20.1 78.192,20.1 77.503,19.411 D40.3
NetD41_2: D41.2 D42.5 | length 2.8
  Top Layer w0.2: D41.2 77.907,6.357 78.883,4.407 D42.5
NetD41_3: D41.3 D42.4 | length 2.8
  Top Layer w0.2: D41.3 78.701,6.782 79.699,4.787 D42.4
NetP1_1: P1.1 SW1.2 | length 38.1
  Bottom Layer w0.6: P1.1 5.67,4.53 8.6,1.6 20.3,1.6 21.9,3.2 SW1.2
NetU1_25: U1.25 U2.5 | length 17
  Bottom Layer w0.2: U2.5@29.55,2.727 U2.5 29.569,3.156 29.569,2.431 29.7,2.3 30.3,2.3 32.1,0.5 42.6,0.5 43.1,1 U1.25
NetU1_27: U1.27 U2.4 | length 16.4
  Bottom Layer w0.2: U2.4 29.55,5.35 30.1,4.8 30.1,3.2 32.4,0.9 41.2,0.9 41.5,1.2 U1.27
PDI_CLOCK: J1.6 U1.35 | length 33.3
  Bottom Layer w0.2: J1.6 19.083,16.6 18.4,17.283 18.4,19.57 19.23,20.4 25.1,20.4 25.6,19.9 25.6,17.7 26.2,17.1 26.2,11.17 27.87,9.5 30.2,9.5 31.2,8.5 31.2,6.4 32.4,5.2 33.4,5.2 33.7,4.9 U1.35
PDI_DATA: J1.3 U1.34 | length 21.4
  Bottom Layer w0.2: J1.3 24.719,17.87 24.999,17.59 25.01,17.59 25.8,16.8 25.8,10.88 27.58,9.1 30,9.1 30.8,8.3 30.8,6.1 32.1,4.8 32.8,4.8 33.5,4.1 U1.34
SCK: J3.P5 U1.17 | length 37.4
  Bottom Layer w0.2: U1.17 49.948,8.1 50.648,7.4 52.58,7.4 55.73,4.25 57.65,4.25 58.7,3.2 69.6,3.2 71,4.6 71,9.92 69.6,11.32 J3.P5
SDI: D1.4 U2.8 | length 52.2
  Top Layer w0.2: v1(0.6,14.8) 0.6,19.9 1.7,21 4,21 4.894,20.106 D1.4
  Bottom Layer w0.2: v1(0.6,14.8) 0.6,4.88 2.499,2.981 3.319,2.981 3.85,2.45 3.85,1.63 4.98,0.5 25.5,0.5 27.3,2.3 27.783,2.3 28.031,2.548 28.031,3.035 U2.8@28.096,3.1
SS: J3.P2 U1.14 | length 30
  Bottom Layer w0.2: U1.14 50.31,10.5 52.61,8.2 52.95,8.2 56.1,5.05 58.27,5.05 59.32,4 67.8,4 68.5,4.7 68.5,7.5 67.78,8.22 J3.P2
"USER BUTTON": C31.2 SW2.1 U1.23 | length 6.7
  Bottom Layer w0.2: U1.23 45.175,2.225 45.85,2.9 49.13,2.9 50.75,2.9 SW2.1
VCC_P3V3: C1.2 C2.2 C3.2 C4.2 C5.2 C9.2 C10.2 J1.4 J3.P4 R1.3 U1.9 U1.19 U1.31 U1.39 U2.3 U2.6 U3.2 U3.4 | length 113.1
  Top Layer w0.2: 53,5.8 58.2,5.8 59.3,6.9 v1(60,6.9)
  Top Layer w0.4: v1(30.2,6.7) 30.2,9.746 30.7,10.246 v1(30.7,10.3) ; v1(52,4.4) 53,5.4 53,5.8 53,13.6 v1(52.4,14.2)
  Bottom Layer w0.2: J1.4 20.77,17.87 21.52,17.12 21.52,13.56 22.08,13 23.6,13 25.3,11.3 25.3,10.68 27.28,8.7 28.74,8.7 29.24,8.2 29.25,8.2 29.6,7.85 C5.2 29.6,7.75 29.25,7.4 29.167,7.4 29.05,7.283 U2.3 U2.6 ; v1(60,6.9) 60.049,6.851 60.399,6.851 60.95,6.3 65.2,6.3 65.5,6.6 65.5,9.1 65.895,9.495 66.365,9.495 J3.P4
  Bottom Layer w0.4: C5.2@29.6,7.75 29.85,7.5 29.85,7.034 v1@30.184,6.7 ; v1@30.162,6.662 30.162,5.838 31.7,4.3 32.35,4.3 33.9,2.75 C4.2 33.9,2.65 34.65,1.9 35.4,1.9 35.9,2.4 35.9,3 36.7,3.8 37.9,3.8 38.3,3.4 U1.31 ; v1(30.7,10.3) 31.7,10.3 ; U1.39 32.95,8.1 32.65,8.4 C1.2 32.55,8.4 32.3,8.65 32.3,8.75 31.7,9.35 31.7,10.3 ; U1.9 43.1,15.65 43.45,16 45.966,16 46.066,15.9 46.35,15.9 46.713,15.538 48.388,15.538 C9.2 49.5,15.525 50.375,14.65 U3.4 v1(52.4,14.2) U3.2 ; C2.2 43.4,16.05 42.47,16.98 40.06,16.98 39.6,17.44 34.36,17.44 R1.3 31.7,15.1 31.7,10.3 ; U1.19 48.75,6.5 49.05,6.2 C3.2 49.15,6.2 50.95,4.4 v1(52,4.4)
VDD: C6.2 C7.2 C8.2 C11.2 C12.2 C13.2 C14.2 C15.2 C16.2 C17.2 C18.2 D1.1 D2.1 D3.1 D4.1 D5.1 D6.1 D7.1 D8.1 D9.1 D10.1 D11.1 D12.1 D13.1 D14.1 D15.1 D16.1 D17.1 D18.1 D19.1 D20.1 D21.1 D22.1 D23.1 D24.1 D25.1 D26.1 D27.1 D28.1 D29.1 D30.1 D31.1 D32.1 D33.1 D34.1 D35.1 D36.1 D37.1 D38.1 D39.1 D40.1 D41.1 D42.1 SW1.1 U2.7 U3.3 | length 33.8
  Bottom Layer w0.2: C11.2@1.1,17.5 v1(3.1,17.5) ; C12.2 7.4,4.17 v1(8.1,3.47) ; v1(14.47,4.08) 14.84,4.08 15.17,4.41 15.17,4.46 15.52,4.81 C13.2 ; v1(26.9,0.7) 27.2,1 27.65,1 28,1.35 C6.2 ; v1(27.17,11.59) C15.2 ; C6.2@28.35,1.5 28.35,1.8 28.433,1.8 28.55,1.917 U2.7 ; C16.2 64.68,1.09 v1(64.69,1.08) ; C17.2 v1(65.54,19.26) ; v1(76.24,4.08) 76.25,4.07 C18.2
  Bottom Layer w0.4: U3.3 56.2,11.875 C7.2 56.212,9.888 56.212,8.813 C8.2 56.4,8.625 56.4,8 56.7,7.7 58.1,7.7 58.7,8.3 58.7,9.7 v1(60,11)
  Bottom Layer w1: C14.2@21.949,10.63 23.45,10.63 v1(24.43,9.65) 24.43,7.58 SW1.1 v1(24.4,3.5) v1(22.9,2)
  other v1: 23.15,10.63
pads on no net: D42.2 D42.3 J1.1 J1.5 J1.7 J1.8 J1.9 J3.P1 J3.P8 SW2.2 U1.2 U1.3 U1.4 U1.5 U1.6 U1.7 U1.11 U1.12 U1.13 U1.20 U1.21 U1.22 U1.24 U1.26 U1.28 U1.29 U1.32 U1.33 U1.36 U1.37 U1.40 U1.41 U1.42 U1.43 U1.44

## Polygon pours and split planes (outlines as drawn)
no net on Top Overlay "NONET_L-01_P-001" (solid): 1.5,1.5 13.279,1.5 13.279,5.039 7.426,5.039 7.426,21.158 1.5,21.158
no net on Top Overlay "NONET_L-01_P-001" (solid): 14.208,1.5 16.863,1.5 17.662,4.463 22.823,4.463 23.642,1.5 29.931,1.5 24.531,21.158 19.57,21.158
no net on Top Overlay "NONET_L-01_P-001" (solid): 31.567,1.5 31.567,17.749 37.001,22.074 37.001,1.5
no net on Top Overlay "NONET_L-01_P-001" (solid): 39.206,7.405 39.757,5.683 40.528,4.122 41.532,2.723 42.654,1.724 43.895,1.124 45.254,0.924 46.608,1.124 47.84,1.724 48.956,2.723 49.962,4.122 50.741,5.693 51.298,7.418 51.631,9.297 51.743,11.33 51.631,13.359 51.298,15.228 50.741,16.944 49.962,18.511 48.959,19.909 47.84,20.909 46.605,21.509 45.254,21.709 43.9,21.511 42.659,20.916 41.533,19.925 40.528,18.538 39.757,16.977 39.206,15.255 38.875,13.373 38.764,11.33 38.875,9.287
no net on Top Overlay "NONET_L-01_P-001" (solid): 53.366,7.405 53.917,5.683 54.688,4.122 55.692,2.723 56.814,1.724 58.055,1.124 59.414,0.924 60.769,1.124 62,1.724 63.116,2.723 64.123,4.122 64.902,5.693 65.458,7.418 65.792,9.297 65.903,11.33 65.792,13.359 65.458,15.228 64.902,16.944 64.123,18.511 63.12,19.909 62,20.909 60.765,21.509 59.414,21.709 58.06,21.511 56.819,20.916 55.694,19.925 54.688,18.538 53.917,16.977 53.366,15.255 53.035,13.373 52.925,11.33 53.035,9.288
no net on Top Overlay "NONET_L-01_P-001" (solid): 67.449,1.25 67.449,20.907 73.374,20.907 73.374,12.492 77.83,20.907 80.883,20.907 76.465,12.467 82.25,0.924 79.009,0.646 74.774,9.164 73.374,6.386 73.374,1.25
VDD on Top Layer "VDD_L01_P004" (solid, remove dead copper, pour order 4): -26.27,-0.92 -26.27,42.05 142.09,42.05 142.09,-0.92
GND on Bottom Layer "GND_L02_P006" (solid, remove dead copper, pour order 6): -26.2,-0.92 -26.2,42.05 142.09,42.05 142.09,-0.92
DUMMY_NET on Bottom Layer "Top Layer-gnd" (solid, pour order 2): 20.2,9.433 19.883,9.75 16.85,9.75 16.85,4.3 18.2,2.95 20.15,2.95 20.2,3
no net on Bottom Solder "NONET_L-01_P-001" (solid): 29.55,5.13 29.55,6.52 28.04,6.52 28.04,5.13
no net on Bottom Solder "NONET_L-01_P-001" (solid): 28.05,3.87 28.05,2.48 29.56,2.48 29.56,3.87

## Keep-outs
Keep-Out Layer:
  lines w0.2: 14.299,7.397 cw(c13.32,7.6) 13.331,6.6 10.152,6.6 cw(c10.129,7.768) 8.96,7.745 8.93,22.69 0,22.69 0,0 84.379,0 78.398,12.081 cw(c79.31,12.49) 78.435,12.975 ; 14.302,7.396 18.473,22.69 25.715,22.69 28.139,13.718 ; 28.135,13.717 ccw(c29.1,13.98) 30.1,13.98 30.1,18.366 36.334,23.58 83.993,23.58 78.438,12.974

## Silkscreen, mask and mechanical layers (free items; w line width, h text height)
Top Overlay:
  pour cut-out: 18.551,7.711 21.932,7.711 20.241,13.897
  pour cut-out: 45.126,4.435 46.006,4.644 46.793,5.085 47.488,5.758 48.089,6.664 48.089,6.662 48.574,7.717 48.921,8.843 49.198,11.328 48.921,13.818 48.574,14.945 48.089,15.994 47.488,16.888 46.794,17.553 46.007,17.988 45.126,18.195
  pour cut-out: 59.286,4.435 60.166,4.644 60.954,5.085 61.648,5.758 62.249,6.664 62.249,6.662 62.734,7.717 63.081,8.843 63.359,11.328 63.081,13.818 62.734,14.945 62.249,15.994 61.649,16.888 60.955,17.553 60.167,17.988 59.286,18.195
Bottom Overlay:
  text "Mikrolysreklamen" at 78.98,21.5 h1
  text "LB7IG" at 67.846,19.554 h1
  text "Skala 1:40" at 78.98,19.5 h1
  text "5V" at 6.9,19.3 h1 r270
  text "Br." at 34.646,18.954 h1
  text "2023" at 71.856,17.554 h1
  text "Rev 0.1" at 78.98,17.5 h1
  text "5V" at 5.1,6.3 h1 r270
  text "GND" at 2.6,5.2 h1 r270
  text "ARK 100AAR" at 81.2,2.91 h1 r296.37
  text "micro-SD CARD" at 73.746,2.054 h1
  text "OFF" at 19.34,1.12 h1
  text "ON" at 26.24,1.12 h1